# KiCad board ddr4-datacenter-tester.kicad_pcb (continued)
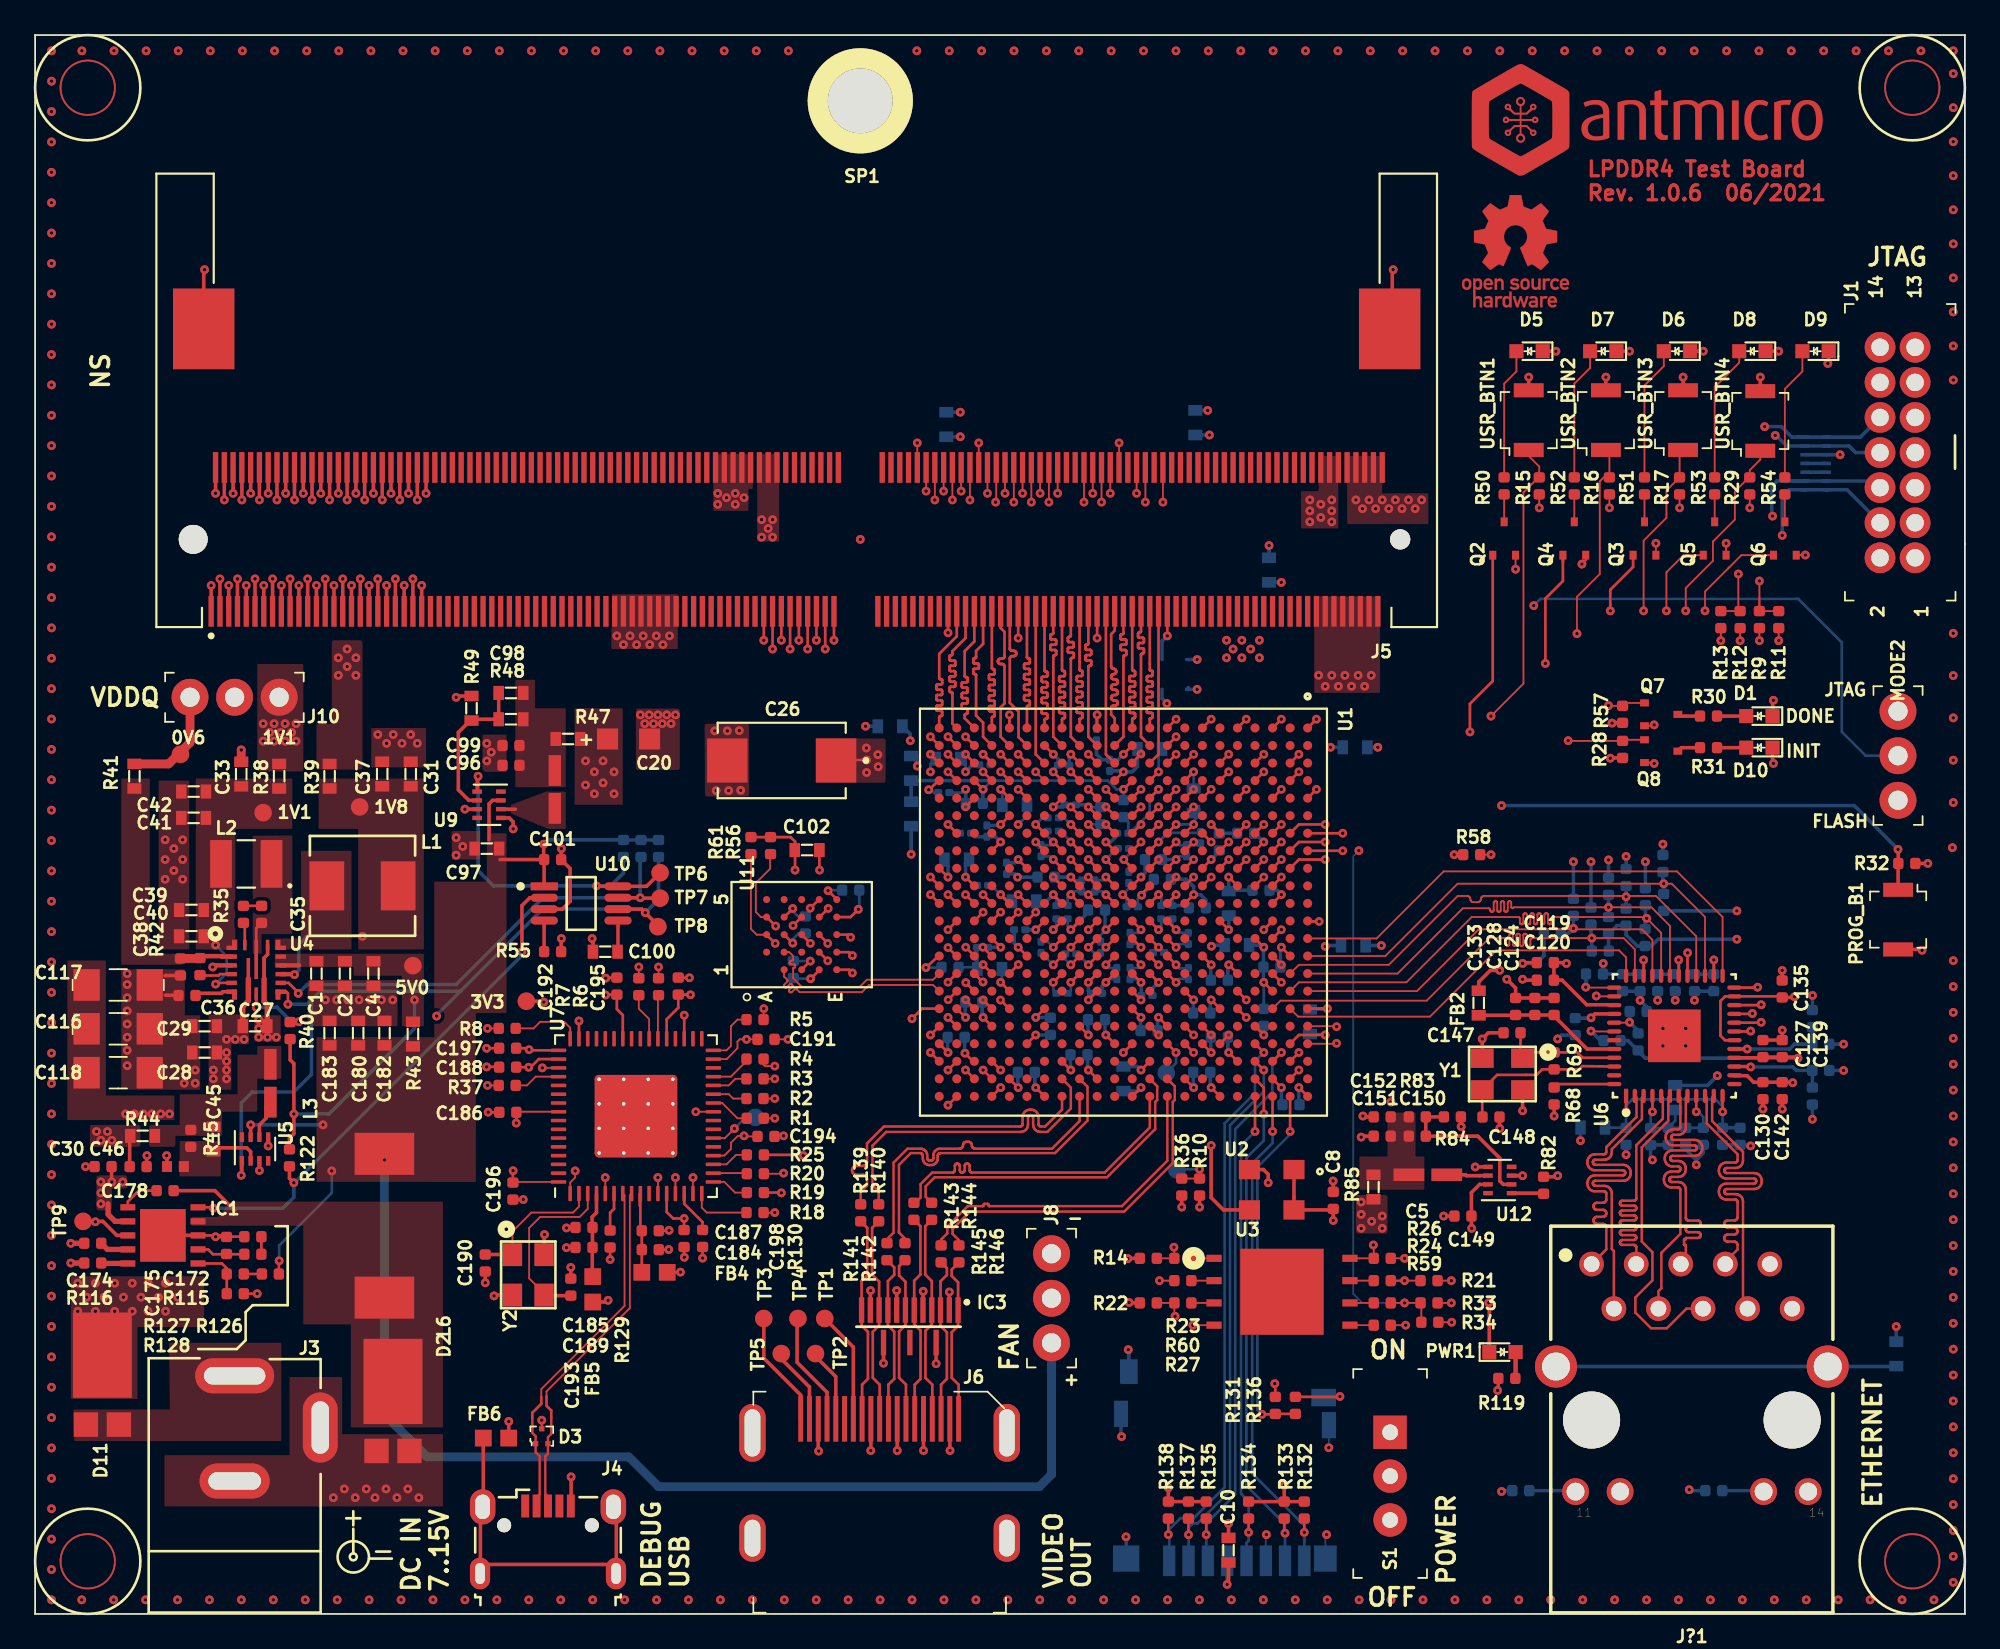
[diagram p0: board, top side]
## Routing (per net, layer and track width the routed paths; a pad name or vN(x,y) marks a point on that pad's centre or on a via; arc(x,y) is an arc through that point) (continued)
SD_CMD: length 32.4
  Top w0.15: U1.C20 v3(71.04,32) ; R135.2 v3(66.76,4.52)
  Bottom w0.15: J7.3 66.76,3.12 v3(66.76,4.52) 66.76,5.16 68.41,6.81 68.41,27.64 70.53,29.76 70.53,31.5 v3(71.04,32)
SD_DAT0: length 30.2
  Top w0.15: v3(70.04,28.5) 70.04,30 U1.D21 ; v3(71.25,4.6) 71.2,4.65 R133.2 71.2,5.14
  Bottom w0.15: J7.7 v3(71.25,4.6) 71.25,5.11 69.04,7.31 69.04,25.98 70.04,26.98 v3(70.04,28.5)
SD_DAT1: length 29.5
  Top w0.15: U1.C22 v3(70.54,27.5) ; R132.2 v3(72.34,4.65)
  Bottom w0.15: J7.8 72.34,4.14 ; 72.34,4.14 72.34,5.03 69.38,8 69.38,25.68 70.54,26.84 v3(70.54,27.5) ; 72.34,4.14 v3(72.34,4.65)
SD_DAT2: length 33.3
  Top w0.15: U1.D19 v3(70.04,32) ; R138.2 v3(64.6,4.52)
  Bottom w0.15: v3(70.04,32) 69.54,31.5 69.54,29.7 67.81,27.97 67.81,7.22 66.04,5.46 65.28,5.46 64.6,4.78 v3(64.6,4.52) 64.65,4.47 J7.1
SD_DAT3: length 31.5
  Top w0.15: U1.D20 v3(70.04,31) ; v3(65.75,4.51) 65.74,4.52 R137.2
  Bottom w0.15: v3(70.04,31) 70.04,29.77 68.11,27.84 68.11,7.01 66.25,5.16 65.99,5.16 65.75,4.91 v3(65.75,4.51) J7.2
SYS_ON: length 30.3
  Top w0.15: v3(10.16,23.13) 10.11,23.18 IC1.10
  Top w0.2: v3(14.75,24.58) 14.5,24.83 R122.2 ; v3(27.75,37.75) 27.75,40.38 28.2,40.83 U10.2
  Bottom w0.2: v3(10.16,23.13) 14.13,23.13 14.75,23.75 v3(14.75,24.58) 14.78,24.58 27.75,37.54 v3(27.75,37.75)
TCK_JTAG: length 97.1
  Top w0.1: 41.54,22.86 42.15,22.86
  Top w0.15: U1.K7 v3(64.04,45)
  In2.Cu w0.1: v3(64.04,45) 64.51,44.53 67.31,44.53 68.33,45.54 76.41,45.54 89.15,58.28 98.39,58.28 100.04,59.93 100.04,62.23 99.69,62.58 v3(99.04,62.58)
  In5.Cu w0.1: v3(64.04,45) 63.37,45 62.67,45.7 61.34,45.7 60.44,46.6 57.74,46.6 56.74,45.6 51.33,45.6 49.49,43.76 46.44,40.72 46.44,27.16 v3(42.16,22.88)
  Bottom w0.2: D4.13 99.59,64.58 ; D4.13 D4.13 104.78,64.58 J1.6 ; D4.13 99.29,64.58 98.99,64.28 98.99,62.63 v3(99.04,62.58)
TDI_JTAG: length 96.3
  Top w0.1: 41.54,23.99 41.55,24
  Top w0.15: U1.K6 v3(64.04,46) ; R19.2 42.52,24.02 v3(42.54,24)
  In2.Cu w0.1: v3(98.59,67.68) 98.59,66.58 98.29,66.28 98.29,60.78 97.59,60.08 89.04,60.08 75.9,46.94 65.73,46.94 65.24,46.45 64.49,46.45 v3(64.04,46)
  In5.Cu w0.1: v3(42.54,24) 43.16,24.63 43.16,26.38 45.93,29.15 45.93,40.92 51.12,46.1 56.54,46.1 57.59,47.15 60.64,47.15 61.29,46.5 63.18,46.5 63.68,46 v3(64.04,46)
  Bottom w0.2: v3(98.59,67.68) 99.54,67.68 100.14,67.08 D4.8 ; D4.8 D4.8 104.04,67.08 J1.10 ; D4.8 100.41,67.08
TDO_JTAG: length 94.5
  Top w0.1: v3(42.66,25.13) 42.63,25.09 R20.2
  Top w0.15: U1.J6 v3(65.04,46)
  In2.Cu w0.1: v3(65.04,46) 65.39,46 65.94,46.55 75.89,46.55 89.12,59.78 97.89,59.78 98.59,60.48 98.59,65.88 99.19,66.48 v3(99.19,67.18)
  In5.Cu w0.1: v3(65.04,46) 64.49,46.55 63.59,46.55 62.64,47.5 52.15,47.5 48.74,44.09 45.68,41.02 45.68,29.27 42.66,26.25 v3(42.66,25.13)
  Bottom w0.2: J1.8 103.76,66.2 103.39,66.58 D4.9 D4.9 99.84,66.58 99.24,67.18 v3(99.19,67.18)
TMDS_CLK_N: length 19
  Top w0.14: U1.R22 58.54,28.75 57.57,27.78 57.34,27.78 57.31,27.79 57.28,27.8 57.25,27.82 57.23,27.84 57.21,27.87 57.2,27.9 57.2,27.93 57.2,28.32 57.19,28.41 57.15,28.5 57.1,28.59 57.03,28.65 56.95,28.7 56.86,28.74 56.77,28.75 56.72,28.75 56.62,28.74 56.53,28.7 56.45,28.65 56.38,28.59 56.33,28.5 56.3,28.41 56.29,28.32 56.29,27.93 56.28,27.9 56.27,27.87 56.25,27.84 56.23,27.82 56.2,27.8 56.17,27.79 56.14,27.78 48.38,27.78 47.42,26.82 47.42,25.78 47.42,25.73 47.4,25.68 47.37,25.63 47.33,25.59 47.28,25.56 47.23,25.54 47.17,25.53 46.81,25.53 46.76,25.53 46.71,25.51 46.66,25.48 46.62,25.44 46.59,25.39 46.57,25.34 46.56,25.28 46.57,25.23 46.59,25.18 46.62,25.13 46.66,25.09 46.71,25.06 46.76,25.04 46.81,25.03 47.17,25.03 47.23,25.03 47.28,25.01 47.33,24.98 47.37,24.94 47.4,24.89 47.42,24.84 47.42,24.78 47.42,24.43 47.06,24.07 R139.1
TMDS_CLK_P: length 19
  Top w0.14: U1.R21 59.04,30 59.04,28.81 57.7,27.47 57.32,27.47 57.22,27.49 57.13,27.52 57.05,27.57 56.98,27.64 56.93,27.72 56.9,27.81 56.89,27.9 56.89,28.29 56.88,28.32 56.87,28.35 56.85,28.38 56.83,28.41 56.8,28.42 56.77,28.43 56.74,28.44 56.71,28.43 56.68,28.42 56.65,28.41 56.63,28.38 56.61,28.35 56.6,28.32 56.6,28.29 56.6,27.9 56.59,27.81 56.55,27.72 56.5,27.64 56.43,27.57 56.35,27.52 56.26,27.49 56.17,27.47 48.51,27.47 47.73,26.7 47.73,24.43 48.08,24.08 R140.1
TMDS_D0_N: length 19.1
  Top w0.14: U1.P22 59.54,28.09 57.97,26.52 53.59,26.52 53.55,26.52 53.5,26.54 53.47,26.56 53.44,26.59 53.41,26.63 53.4,26.67 53.39,26.76 53.37,26.8 53.35,26.84 53.32,26.87 53.28,26.89 53.24,26.91 53.2,26.91 53.09,26.91 53.05,26.91 53,26.89 52.97,26.87 52.94,26.84 52.91,26.8 52.9,26.76 52.89,26.67 52.87,26.63 52.85,26.59 52.82,26.56 52.78,26.54 52.74,26.52 52.7,26.52 51.58,26.52 51.5,26.51 51.42,26.48 51.34,26.44 51.28,26.38 51.24,26.3 51.21,26.22 51.2,26.14 51.2,25.99 51.2,25.96 51.19,25.92 51.17,25.89 51.14,25.87 51.11,25.85 51.08,25.84 51.05,25.84 51,25.84 50.97,25.84 50.94,25.85 50.91,25.87 50.88,25.89 50.87,25.92 50.85,25.96 50.85,25.99 50.85,26.14 50.84,26.22 50.81,26.3 50.77,26.38 50.71,26.44 50.63,26.48 50.55,26.51 50.47,26.52 49.73,26.52 48.93,25.72 48.93,21.73 48.56,21.36 R141.1
TMDS_D0_P: length 19.9
  Top w0.14: R142.1 49.58,21.39 49.24,21.73 49.24,21.82 ; 49.24,21.82 49.24,25.6 49.92,26.27 50.45,26.27 50.48,26.27 50.51,26.25 50.54,26.24 50.57,26.21 50.59,26.18 50.6,26.15 50.6,26.12 50.6,25.97 50.61,25.88 50.64,25.8 50.68,25.73 50.74,25.67 50.82,25.62 50.9,25.6 50.98,25.59 51.07,25.59 51.15,25.6 51.23,25.62 51.31,25.67 51.37,25.73 51.41,25.8 51.44,25.88 51.45,25.97 51.45,26.12 51.45,26.15 51.47,26.18 51.48,26.21 51.51,26.24 51.54,26.25 51.57,26.27 51.6,26.27 58.14,26.27 59.99,28.12 59.99,30.05 U1.P21 ; 49.24,21.82 49.24,21.75
TMDS_D1_N: length 19
  Top w0.14: R143.1 50.17,23.44 50.48,23.74 50.48,24.5 51.14,25.16 52.29,25.16 52.32,25.16 52.35,25.17 52.37,25.19 52.4,25.21 52.41,25.24 52.42,25.27 52.43,25.3 52.43,25.53 52.43,25.56 52.44,25.59 52.46,25.62 52.48,25.64 52.51,25.66 52.54,25.67 52.57,25.67 52.6,25.67 52.63,25.66 52.65,25.64 52.68,25.62 52.69,25.59 52.7,25.56 52.71,25.53 52.71,25.3 52.71,25.27 52.72,25.24 52.74,25.21 52.76,25.19 52.79,25.17 52.82,25.16 52.85,25.16 52.88,25.16 52.91,25.17 52.93,25.19 52.96,25.21 52.97,25.24 52.98,25.27 52.99,25.3 52.99,25.53 52.99,25.56 53,25.59 53.02,25.62 53.04,25.64 53.07,25.66 53.1,25.67 53.13,25.67 53.16,25.67 53.19,25.66 53.21,25.64 53.24,25.62 53.25,25.59 53.26,25.56 53.27,25.53 53.27,25.3 53.27,25.27 53.28,25.24 53.3,25.21 53.32,25.19 53.35,25.17 53.38,25.16 53.41,25.16 60.97,25.16 63.54,27.73 U1.K22
TMDS_D1_P: length 18.6
  Top w0.14: U1.K21 63.96,30.08 63.96,29.3 63.85,29.18 63.85,27.64 61.1,24.89 51.28,24.89 50.76,24.37 50.76,23.78 R144.1
TMDS_D2_N: length 19.1
  Top w0.14: U1.J22 64.54,25.83 61.95,23.24 54.41,23.24 54.4,23.25 54.38,23.25 54.37,23.26 54.36,23.27 54.35,23.28 54.35,23.3 54.34,23.32 54.34,23.34 54.33,23.35 54.32,23.36 54.31,23.37 54.3,23.37 54.28,23.37 54.13,23.37 54.12,23.37 54.1,23.37 54.09,23.36 54.08,23.35 54.07,23.34 54.07,23.32 54.06,23.3 54.06,23.28 54.05,23.27 54.04,23.26 54.03,23.25 54.02,23.25 54,23.24 53.16,23.24 52,22.08 52,21.69 51.64,21.34 R145.1
TMDS_D2_P: length 20.2
  Top w0.14: U1.J21 64.96,30.08 64.96,29.3 64.85,29.18 64.85,25.7 62.08,22.93 53.29,22.93 52.3,21.95 ; 52.3,21.95 52.3,21.67 52.66,21.3 R146.1 ; 52.3,21.95 52.31,21.96
TMS_JTAG: length 91.1
  Top w0.15: U1.L6 v3(63.04,46) ; v3(43.79,26.13) 43.75,26.17 R25.2
  In2.Cu w0.1: v3(63.04,46) 63.49,45.55 66.25,45.55 66.74,46.05 76.15,46.05 88.93,58.83 97.44,58.83 99.59,60.98 v3(99.59,61.48)
  In5.Cu w0.1: v3(43.79,26.13) 46.19,28.53 46.19,40.82 51.22,45.85 56.64,45.85 57.69,46.9 60.54,46.9 61.44,46 v3(63.04,46)
  Bottom w0.15: v3(99.59,61.48) 99.59,61.83
  Bottom w0.2: v3(99.59,61.48) 99.59,63.68 99.99,64.08 D4.14 D4.14 103.28,64.08 J1.4
UART0_RX: length 20.8
  Top w0.1: R6.2 v4(35.54,36.88)
  Top w0.15: U1.AA18 v3(52.04,34)
  In2.Cu w0.15: v3(52.04,34) 51.04,34 50.42,33.38 49.57,33.38 49.33,33.63 36.64,33.63 35.54,34.73 v4(35.54,36.88)
UART0_TX: length 20.4
  Top w0.1: R7.2 v4(34.41,36.88)
  Top w0.15: U1.AB18 v3(51.04,33)
  In2.Cu w0.15: v4(34.41,36.88) 34.41,35.43 36.51,33.33 48.99,33.33 49.34,32.98 51.01,32.98 v3(51.04,33)
UART1_RX: length 27.2
  Top w0.1: R8.2 v4(25.79,33.38)
  Top w0.15: U1.AB20 v3(51.04,32)
  In2.Cu w0.15: v4(25.79,33.38) 26.16,33 39.6,33 40.6,32 v3(51.04,32)
UART1_TX: length 30
  Top w0.1: R37.2 v4(25.79,30.13)
  Top w0.15: U1.AA20 v3(52.04,31)
  In2.Cu w0.15: v4(25.79,30.13) 26.91,31.25 26.91,32.38 27.24,32.7 39.47,32.7 40.47,31.7 50.59,31.7 51.04,31.25 51.79,31.25 v3(52.04,31)
USR_BTN1: length 34.6
  Top w0.1: 85.74,64.8 85.74,65.4 85.14,66 USR_BTN1.1 ; v3(82.99,51.18) 84.84,53.03 84.84,63.93 85.69,64.79 R15.2
  Top w0.15: U1.E8 v4(69.04,44)
  In2.Cu w0.1: v4(69.04,44) 69.9,44.86 77.3,44.86 82.99,50.55 v3(82.99,51.18)
USR_BTN2: length 33.7
  Top w0.1: USR_BTN2.1 89.74,66.15 R16.2 89.42,64.79 89.19,64.56 89.19,59.28 87.89,57.98 v3(87.89,55.88)
  Top w0.15: U1.B8 72.04,44 v4(73.54,44)
  In2.Cu w0.1: v3(87.89,55.88) 87.89,54.74 77.51,44.36 73.9,44.36 v4(73.54,44)
USR_BTN3: length 38.1
  Top w0.1: USR_BTN3.1 93.74,66.15 R17.2 92.99,64.04 92.99,62.48 91.69,61.18 v3(91.69,57.18)
  Top w0.15: U1.C9 v4(71.04,43)
  In2.Cu w0.1: v4(71.04,43) 71.25,42.79 76.65,42.79 88.23,54.38 89.89,54.38 91.69,56.18 v3(91.69,57.18)
USR_BTN4: length 44.6
  Top w0.1: USR_BTN4.1 98.34,65.8 97.74,65.2 R29.2 97.69,64.79 96.89,63.98 96.89,62.38 95.64,61.13 95.64,60.03 94.09,58.48 v3(94.09,57.18)
  Top w0.15: U1.E9 v4(69.04,43)
  In2.Cu w0.1: 69.74,42.3 v4(69.04,43) 69.75,42.29 76.85,42.29 88.12,53.56 91.36,53.56 94.09,56.28 v3(94.09,57.18)
USR_LED1: length 28.4
  Top w0.15: U1.F8 v4(68.04,44) ; Q2.1 83.09,53.18 81.79,51.88 v3(81.79,50.28)
  In2.Cu w0.1: v3(81.79,50.28) 81.79,49.72 77.32,45.25 68.66,45.25 68.04,44.63 v4(68.04,44)
USR_LED2: length 27.2
  Top w0.15: U1.C8 v4(71.04,44) ; 87.09,60.08 87.09,59.95 ; 87.09,60.08 Q4.1 ; 87.09,60.08 87.09,58.88 86.09,57.88 v3(86.09,54.18)
  In2.Cu w0.1: v3(86.09,54.18) 86.09,53.29 77.4,44.61 71.65,44.61 v4(71.04,44)
USR_LED3: length 27.6
  Top w0.15: U1.A8 v4(74.54,43.5) ; v3(89.79,57.18) 89.79,58.38 91.09,59.68 Q3.1
  In2.Cu w0.1: v4(74.54,43.5) 75.15,44.11 77.61,44.11 88.18,54.68 88.89,54.68 89.79,55.58 v3(89.79,57.18)
USR_LED4: length 35.3
  Top w0.1: 95.09,60.28 Q5.1 93.96,60.35 92.99,59.38 v3(92.99,57.18)
  Top w0.15: U1.D9 v4(70.04,43)
  In2.Cu w0.1: v4(70.04,43) 70.5,42.54 76.75,42.54 88.32,54.11 90.92,54.11 92.99,56.18 v3(92.99,57.18)
USR_LED5: length 42.5
  Top w0.1: 96.59,59.68 95.19,58.28 v3(95.19,57.18) ; 96.59,59.68 97.26,60.35 Q6.1 ; 96.59,59.68 96.49,59.58
  Top w0.15: U1.F9 v4(68.04,43)
  In2.Cu w0.1: v3(95.19,57.18) 95.19,56.18 92.01,53 87.92,53 76.96,42.04 69,42.04 v4(68.04,43) 68.99,42.05
VREF_34: length 17.1
  Top w0.15: U1.L4 v3(62.04,47) ; U1.Y4 v3(54.04,47)
  Bottom w0.15: v3(54.04,47) 54.54,47.5 61.14,47.5 61.64,47 v3(62.04,47) 62.05,47.02
  Bottom w0.2: 54.04,46.8 v3(54.04,47) 54.02,46.99 C114.1 ; 54.54,47.5 50.14,47.5 ; R65.2 R66.1 ; v3(62.04,47) C115.1
VRN: length 2.1
  Top w0.15: U1.K4 v3(64.04,48)
  Bottom w0.15: R63.1 64.04,49.1 v3(64.04,48)
VRP: length 1.7
  Top w0.15: U1.V5 v3(55.04,47)
  Bottom w0.15: 55.14,46 55.14,46.9 v3(55.04,47)
Net-(C35-Pad1): length 2.2
  Top w0.15: U4.17 12.6,39.09 C35.1
Net-(C35-Pad2): length 1
  Top w0.15: 11.91,40.36 C35.2
Net-(C36-Pad1): length 2.3
  Top w0.2: 9.15,35.38 10.61,35.38 10.7,35.47 U4.6 11.36,35.31 U4.6
Net-(C38-Pad1): length 3.1
  Top w0.25: U4.2 10.65,37.47 10.63,37.5 9.24,37.5 9.21,37.47
  Top w0.5: 9.41,37.36 C38.1
Net-(C45-Pad2): length 2.8
  Top w0.2: C45.2 10.37,26.57 12.07,26.57 12.29,26.35 U5.2
Net-(C98-Pad2): length 8.7
  Top w0.2: U9.2 24.72,46.38 24.12,46.97 24.12,50.25 24.8,50.92 R49.1 24.95,51 R48.2 C98.2
Net-(C100-Pad2): length 1.8
  Top w0.2: C100.2 33.23,37.78 U10.5
Net-(C147-Pad1): length 6.3
  Top w0.15: 85.35,32.01 R69.1 87.9,32.01 88.21,31.7 U6.45 ; C147.1 84.67,31.79 Y1.1
Net-(C148-Pad1): length 9.6
  Top w0.15: U6.46 88.19,31.23 88,31.04 R69.2 85.9,31.04 85.59,30.73 83.34,30.73 Y1.3 82.49,28.34 C148.1
Net-(C150-Pad2): length 9.1
  Top w0.2: U12.2 83.69,24.48 83.49,24.68 83.49,25.98 82.23,27.23 C150.2 R83.2 80.17,28.33 80.3,28.46 R84.1
Net-(C172-Pad1): length 1
  Top w0.15: C172.1 R115.2
Net-(C174-Pad1): length 1.7
  Top w0.3: IC1.4 4.12,20.78 C174.1
Net-(C175-Pad1): length 2.8
  Top w0.15: IC1.7 9.86,20.78 10.14,20.5 R115.1
Net-(C178-Pad1): length 3.9
  Top w0.2: 11.38,23 10.25,24.13 C178.1
Net-(C178-Pad2): length 2.2
  Top w0.15: IC1.1 5.29,23.51 5.91,24.13 C178.2
Net-(C184-Pad1): length 5.2
  Top w0.1: 34.44,23.97 34.44,23.26
  Top w0.15: 34.5,23.9 34.5,21.92 C187.1 C184.1 FB4.2
Net-(C185-Pad1): length 4.5
  Top w0.2: 31.76,19.5 31.76,20.88 C189.1 C185.1 31.75,22.05 31.75,22.62 32,22.88 32,23.9
Net-(C190-Pad1): length 7.9
  Top w0.1: Y2.1 27.21,21.8 28.29,22.88 30.66,22.88 31,23.22 31,23.9
  Top w0.2: C190.1 27.2,20.49 Y2.1
Net-(C193-Pad1): length 10.3
  Top w0.1: Y2.3 29.01,18.28 28.16,19.13 28.16,22 28.79,22.63 31.04,22.63 31.5,23.09 31.5,23.9
  Top w0.2: Y2.3 29.05,18.14 C193.1
Net-(D1-Pad2): length 1.7
  Top w0.2: D1.2 R30.1
Net-(D4-Pad11): length 1.2
  Bottom w0.2: D4.11 D4.11
Net-(D4-Pad12): length 1.2
  Bottom w0.2: D4.12 D4.12
Net-(D5-Pad2): length 7.3
  Top w0.1: 84.44,71.78 84.44,70.83 83.74,70.13 R50.1
Net-(D6-Pad2): length 7.5
  Top w0.1: R51.1 91.74,70.03 92.84,71.13 92.84,71.88
Net-(D7-Pad2): length 7.4
  Top w0.1: 88.64,71.78 88.64,71.03 87.74,70.13 R52.1
Net-(D8-Pad2): length 7.8
  Top w0.1: R53.1 95.74,69.93 97.14,71.33 D8.2
Net-(D9-Pad2): length 7.6
  Top w0.1: R54.1 99.74,69.83 100.74,70.83 D9.2
Net-(D10-Pad2): length 1.7
  Top w0.2: R31.1 D10.2
Net-(FB6-Pad2): length 18.9
  Top w0.2: 32.98,6.62 33.13,6.47 33.13,2.82 25.38,2.82 25.38,6.47 25.55,6.64 FB6.2
Net-(FB7-Pad1): length 19.4
  Bottom w0.2: FB7.1 106.06,14.1 J?1.Z1 J?1.Z2
Net-(IC1-Pad5): length 1.5
  Top w0.3: IC1.5 3.8,19.98 R116.2
Net-(IC1-Pad6): length 3.2
  Top w0.15: R128.1 R127.2 10.93,19.7 10.65,19.98 IC1.6
Net-(J6-Pad13): length 6.4
  Top w0.2: TP1.1 46.64,15.21 J6.13
Net-(J6-Pad15): length 4.3
  Top w0.2: 44.33,14.84 45.64,13.53 J6.15
Net-(J6-Pad16): length 6.5
  Top w0.2: 43.26,16.84 43.43,16.66 43.43,14.34 45.14,12.63 J6.16
Net-(J6-Pad18): length 4.4
  Top w0.2: TP5.1 42.53,14.54 44.14,12.93 J6.18
Net-(J6-Pad19): length 6.6
  Top w0.2: TP3.1 41.53,14.58 43.64,12.47 J6.19
Net-(J7-Pad9): length 3.6
  Top w0.15: R136.2 74.35,12.37 v3(74.38,12.39)
  Bottom w0.15: 73.32,12.33 73.38,12.39 v3(74.38,12.39)
Net-(J?1-Pad11): length 2.7
  Bottom w0.2: J?1.11 87.75,7.03 R62.1
Net-(J?1-Pad13): length 2.4
  Bottom w0.2: J?1.13 98.47,7.03 R67.1
Net-(L3-Pad1): length 2.3
  Top w0.2: L3.1 13.16,28.92 13.16,28.25 12.79,27.88 U5.6
Net-(L4-Pad1): length 0.8
  Top w0.2: U9.6 27.38,45.88
Net-(L5-Pad1): length 2.4
  Top w0.2: U12.6 82.33,24.98 82.33,24.98 81.6,24.98 81.54,25.03 L5.1
Net-(PWR1-Pad2): length 1.5
  Top w0.25: PWR1.2 84.39,13.44 R119.1
Net-(Q2-Pad3): length 1.6
  Top w0.1: 83.74,62.3 83.74,63.87
Net-(Q3-Pad3): length 1.5
  Top w0.1: 91.74,62.31 R51.2
Net-(Q4-Pad3): length 1.5
  Top w0.1: 87.74,62.31 R52.2
Net-(Q5-Pad3): length 1.6
  Top w0.1: Q5.3 R53.2
Net-(Q6-Pad3): length 1.6
  Top w0.1: Q6.3 R54.2
Net-(Q7-Pad3): length 1.3
  Top w0.2: Q7.3 93.74,51.18 R30.2
Net-(Q8-Pad3): length 1.3
  Top w0.2: R31.2 93.84,49.38 Q8.3
Net-(R1-Pad1): length 2.3
  Top w0.1: 38.6,29.13 39.16,29.13 40.04,28.25 R1.1
Net-(R2-Pad1): length 2.1
  Top w0.1: R2.1 39.79,29.38 39.54,29.63 38.6,29.63
Net-(R3-Pad1): length 2.1
  Top w0.1: R3.1 39.91,30.5 39.54,30.13 38.6,30.13
Net-(R4-Pad1): length 2.4
  Top w0.1: R4.1 40.55,31.52 39.66,30.63 38.6,30.63
Net-(R5-Pad1): length 3.3
  Top w0.1: R5.1 40.04,33.88 39.66,33.5 39.66,32.38 39.41,32.13 38.6,32.13
Net-(R6-Pad1): length 2.5
  Top w0.1: R6.1 35.5,35.23 U7.38
Net-(R7-Pad1): length 2.7
  Top w0.1: U7.39 35,33.91 34.41,34.5 R7.1
Net-(R8-Pad1): length 4
  Top w0.1: R8.1 28.41,33.38 28.79,33.75 30.16,33.75 30.5,33.41 U7.48
Net-(R18-Pad1): length 3.5
  Top w0.1: R18.1 38.29,22.88 38,23.16 U7.16
Net-(R19-Pad1): length 2.2
  Top w0.1: 38.6,24.63 39.29,24.63 39.9,24.02 R19.1
Net-(R20-Pad1): length 2
  Top w0.1: R20.1 40.54,25.13 38.6,25.13
Net-(R23-Pad1): length 1.3
  Top w0.1: R23.1 U3.1
Net-(R24-Pad1): length 1.4
  Top w0.1: R24.1 U3.6
Net-(R25-Pad1): length 2.2
  Top w0.1: 38.6,25.63 39.41,25.63 39.95,26.17 R25.1
Net-(R26-Pad1): length 1.4
  Top w0.1: U3.7 R26.1
Net-(R27-Pad1): length 1.3
  Top w0.1: R27.1 U3.3
Net-(R35-Pad1): length 1.3
  Top w0.15: 11.91,39.39 11.95,39.35 U4.18
Net-(R37-Pad1): length 2.6
  Top w0.1: R37.1 28.04,30.13 28.54,30.63 29.77,30.63
Net-(R40-Pad1): length 4.1
  Top w0.15: U4.8 v3(12.6,34.58)
  Top w0.2: R40.1 14.55,33.75 v3(15.04,33.75)
  Bottom w0.2: v3(12.6,34.58) 13.8,34.58 14.62,33.75 v3(15.04,33.75)
Net-(R42-Pad1): length 2
  Top w0.15: U4.4 10.54,36.47 10.46,36.39 9.71,36.39 ; 9.71,36.39 9.51,36.39 ; 9.71,36.39 9.41,36.39
Net-(R55-Pad1): length 1.8
  Top w0.2: U10.4 29.01,39.52 R55.1
Net-(R59-Pad1): length 1.4
  Top w0.1: U3.5 R59.1
Net-(R60-Pad1): length 1.3
  Top w0.1: R60.1 U3.2
Net-(R68-Pad2): length 3.5
  Top w0.15: U6.48 86.78,30.2 R68.2
Net-(R82-Pad1): length 1.8
  Top w0.2: U12.1 85.95,23.98 R82.1
Net-(R126-Pad2): length 1
  Top w0.15: R127.1 R126.2
Net-(R129-Pad2): length 2.2
  Top w0.15: R129.2 32.78,22.87 33,23.09 U7.6
Net-(R130-Pad2): length 2.4
  Top w0.15: 37,23.9 37,23.38 38.05,22.33 R130.2
Net-(U1-PadA20): length 0
Net-(U1-PadB18): length 0
Net-(U1-PadC10): length 0.7
  Top w0.15: U1.C10 v2(71.04,42)
Net-(U1-PadC13): length 0.7
  Top w0.15: U1.C13 v4(71.04,39)
Net-(U1-PadD10): length 0.7
  Top w0.15: U1.D10 v2(70.04,42)
Net-(U1-PadG10): length 0.7
  Top w0.15: U1.G10 v2(67.04,42)
Net-(U1-PadH8): length 0.7
  Top w0.15: U1.H8 v2(66.04,44)
Net-(U1-PadH9): length 0.7
  Top w0.15: U1.H9 v2(66.04,43)
Net-(U1-PadH10): length 0.7
  Top w0.15: U1.H10 v2(66.04,42)
Net-(U1-PadT8): length 0.7
  Top w0.15: U1.T8 v2(57.04,44)
Net-(U1-PadU11): length 0.7
  Top w0.15: U1.U11 v4(56.04,41)
Net-(U7-Pad22): length 2.9
  Top w0.1: v3(39.86,27.67) 39.32,27.12 U7.22
  Bottom w0.15: v3(39.86,27.67) 40.47,28.28 41.08,28.28 41.11,28.25

## Copper pours and planes (outline as drawn; the poured copper is in the pictures)
1V0_SYS on Top: 48.48,47.38 45.98,47.38 45.98,49.91 48.48,49.91
1V0_SYS on Top: 33.5,46.12 30.75,46.12 30.75,51.62 33.5,51.62
1V0_SYS on VCC2: 66.54,51.62 66.5,35.62 47.66,35.5 47.62,45 30.75,44.99 30.79,51.63
1V1_SYS on Top: 36.63,55 32.85,55 32.85,58.13 36.63,58.13
1V1_SYS on Top: 15.29,48.02 12.66,48.02 12.66,54.15 15.29,54.15
1V1_SYS on Top: 76.66,52.5 72.91,52.5 72.91,58 76.66,58
1V1_SYS on VCC2: 66.62,53.75 72.12,53.75 72.12,55.62 77.38,55.62 77.38,52.12 25.38,52.12 25.38,48.12 12.62,48.12 12.62,52.25 23.38,52.25 23.38,57.88 66.56,58
1V8_FT on VCC2: 46.46,17.17 24.96,17.17 25.04,44 46.56,44
1V8_SYS on Top: 76.79,63.88 79.41,63.88 79.41,62.13 74.79,62.13 74.79,66 76.79,66
1V8_SYS on Top: 40.91,64.13 40.66,64.13 40.66,62.88 38.66,62.88 38.66,66.13 40.91,66.13
1V8_SYS on Top: 18.66,48.13 16.04,48.13 16.04,50.75 16.91,50.75 16.91,55.5 18.66,55.5
1V8_SYS on VCC1: 75.19,37.63 57.69,37.63 57.69,45.38 65.19,45.38 65.19,59.38 75.19,59.38
1V8_SYS on VCC2: 82.22,58.5 71.29,58.5 71.29,54.13 67.49,54.13 67.5,58.45 22.62,58.5 22.62,53 12.91,53 13.16,89.38 82.41,89.38
3V3_SYS on Top: 6,26.62 3.12,26.62 3.12,27.88 6,27.88
3V3_SYS on VCC1: 110.19,5.88 84.19,5.88 84.19,-0.12 23.19,-0.12 23.19,28.38 11.69,28.38 11.69,26.88 3.19,26.88 3.19,28.38 10.19,28.38 10.19,29.88 11.69,29.88 11.69,30.88 23.19,30.88 23.19,59.38 49.19,59.38 49.19,37.13 75.69,37.13 75.69,89.88 110.19,89.88
3V3_SYS on VCC2: 109.49,38.88 74.69,38.78 74.59,0.28 25.12,0 25.12,16.28 47.56,16.22 47.66,34.57 66.79,34.63 66.79,51.63 83.16,51.63 83.16,89.25 109.41,89.25
GND on Top: 40.71,46.59 38.19,46.59 38.16,50.74 40.7,50.73
GND on Top: 26.88,48 25.5,48 25.5,50.12 26.88,50.12
GND on Top: 25.38,43 23.75,43 23.75,44.62 25.38,44.62
GND on Top: 36.75,48.11 34.25,48.11 34.25,51.61 36.75,51.61
GND on Top: 14,32.62 12.5,32.62 12.5,34.12 14,34.12
GND on Top: 23.25,6.12 7.38,6.12 7.37,9.05 14.5,9.05 14.5,13.5 17.5,13.5 17.5,10.25 23.25,10.25
GND on Top: 22.29,48.25 19.16,48.25 19.16,50.5 22.29,50.5
GND on Top: 8.54,34.13 9.41,34.13 9.41,29.88 4.91,29.88 4.91,36.75 8.54,36.75
GND on Top: 8.79,37.88 7.04,37.88 7.04,47.5 8.79,47.5
GND on Top: 20.66,33.5 15.54,33.5 15.54,36.13 20.66,36.13
GND on GND1: 109.69,0.03 0,0 0,90 110,90
GND on In2.Cu: 109.64,89.6 109.64,0.3 0.34,0.3 0.24,89.7
GND on GND2: 109.88,0 0,0 0,90 110,90
GND on VCC1: 22.66,31.5 9.66,31.5 9.66,28.88 2.79,28.88 2.79,26.38 12.19,26.38 12.16,28 22.79,28 22.79,0.38 0.29,0.38 0.29,47.25 9.16,47.25 9.16,46.13 17.66,46.13 17.66,58 22.66,58
GND on In5.Cu: 110.04,0 0.04,0 0.04,90 110.04,90
GND on VCC2: 9.29,30.13 2.54,30.13 2.54,21.82 5.91,22 5.91,11.25 15.41,11.25 15.41,34.13 24.54,34.13 24.54,0.25 0.29,0.25 0.29,34.38 9.29,34.38
GND on VCC2: 12.16,47.25 24.41,47.25 24.41,35.38 0.29,35.38 0.16,89.25 12.16,89.25
VCC1V2 on Top: 75.29,21.68 75.29,23.88 77.09,23.88 77.09,21.68
VCC1V2 on VCC2: 108.99,1.18 75.09,1.18 75.09,37.68 108.98,37.68
VCC5V0 on Top: 22.16,33.5 20.91,33.5 20.91,36.38 18.16,36.38 18.16,36.88 13.66,36.88 13.66,37.63 22.16,37.63
VCC5V0_INT on Top: 26.88,34.25 25.12,34.25 25.12,24.62 22.54,24.62 22.54,24.63 16.04,24.63 16.04,32.88 22.54,32.88 22.54,32.88 22.75,32.88 22.75,41.75 25.75,41.75 25.75,44.5 26.88,44.5
VDD1V1 on Top: 14.66,44.75 11.41,44.75 11.41,38.46 11.55,38.46 11.55,37.86 9.16,37.88 9.16,47.63 14.66,47.63
VDD1V8 on Top: 22.16,37.88 18.41,37.88 18.41,44.75 16.16,44.75 16.16,47.63 22.16,47.63
VDDQ on Top: 74.29,61.88 72.16,61.88 72.16,64 73.16,64 73.16,66 74.29,66
VDDQ on Top: 42.41,61.13 41.16,61.13 41.16,66.13 42.41,66.13
VDDQ on VCC1: 75.19,67.38 75.19,59.88 64.69,59.88 64.69,45.88 57.19,45.88 57.19,37.63 49.69,37.63 49.69,59.88 17.19,59.88 17.19,46.88 9.69,46.88 9.69,67.38
VIN on Top: 9.64,16.35 5.84,16.35 5.84,12.25 2.04,12.25 2.04,19.25 9.64,19.25
VIN on Top: 5.25,24.25 4.38,24.25 4.38,23 3.5,23 3.5,25 5.25,25
VIN on Top: 4.04,29.55 7.94,29.55 7.94,28.15 1.84,28.15 1.84,37.25 4.04,37.25
VIN on Top: 12.19,32.48 11.19,32.48 11.19,29.88 9.89,29.88 9.89,34.18 12.19,34.18
VIN on VCC2: 7.88,22.88 3,22.88 3,25 7.88,25
VIN on VCC2: 14.5,11.88 6.75,11.88 6.75,28.12 4.88,28.12 4.88,29.75 9.75,29.75 9.75,34 14.5,34
(no net) on VCC1: 75.19,67.88 9.19,67.88 9.19,47.88 0.19,47.88 0.19,89.88 75.19,89.88
Net-(C35-Pad1) on Top: 14.66,38.75 12.91,38.75 12.91,37.63 12.41,37.63 12.4,44.36 14.66,44.38
Net-(C38-Pad1) on Top: 6.54,37.63 8.41,37.63 8.41,37 4.91,37 4.91,47.63 6.54,47.63
Net-(C45-Pad1) on Top: 9,27.25 8,27.25 8,26.62 6.5,26.62 6.5,27.88 8.25,27.88 8.25,28.25 9,28.25
Net-(C45-Pad1) on Top: 14.04,30.5 12.66,30.5 12.66,28.63 10.66,28.63 10.66,27.25 8.25,27.25 8.25,29.63 11.54,29.63 11.54,31.88 12.66,31.88 12.66,32.38 14.04,32.38
Net-(C45-Pad2) on Top: 10.59,24.94 8.23,24.94 8.25,26.96 10.59,26.96
Net-(C96-Pad1) on Top: 28.5,51.62 30.25,51.62 30.25,47.12 27.38,47.12 27.38,53.25 28.5,53.25
Net-(C150-Pad1) on Top: 75.49,24.18 75.49,26.08 77.09,26.08 77.09,28.58 78.69,28.58 78.69,26.08 79.19,26.08 79.19,24.18
Net-(C178-Pad1) on Top: 23.25,23.5 23.25,10.63 18,10.63 18,16.5 15.29,16.5 15.29,22.13 8.91,22.13 8.91,22.63 10.41,22.63 11.16,23.5
Net-(D11-PadA) on Top: 14.04,9.85 2.24,9.85 2.19,11.65 7.69,11.65 7.64,15.45 14.04,15.45
Net-(L1-Pad1) on Top: 18.04,37.88 13.66,37.88 13.66,38.5 15.16,38.5 15.16,43.5 18.04,43.5
Net-(L4-Pad1) on Top: 30.25,44.75 29.25,44.75 27.12,45.62 27.12,46.12 29.12,46.88 30.25,46.88

## Text on the board
Dwgs.User: Recommended PCB finish: | Gold plating (ENIG, selective) | Solder mask: matt black | Silkscreen: white | The design includes high speed signaling | Suggested prepreg material is ISOLA PR2116 | Layer | 1 | 2 | 3 | 4 | 5 | 6 | 7 | 8 | 9 | 10 | 11 | 12 | 13 | 14 | 15 | 16 | 17 | Name | Top Solder | F.Cu | Dielectric 1 | GND1 | Dielectric 2 | In2.Cu | Dielectric 3 | GND2 | Dielectric 4 | VCC1 | Dielectric 5 | In5.Cu | Dielectric 6 | VCC2 | Dielectric 7 | B.Cu | Bottom Solder | Material | Solder Resist | Copper | Prepreg 2116 | FR-4 | Prepreg 7630 | Thickness | 0.02  mm | 0.035 mm | 0.12  mm | 0.23  mm | 0.2   mm | 0.018 mm | Constant | 3.5 | 4.5 | 4.6 | 4.7 | Recommended PCB stackup
Top: LPDDR4 Test Board / Rev. 1.0.6  06/2021
F.Mask: LPDDR4 Test Board / Rev. 1.0.6  06/2021
F.SilkS: 1V1 | + | - | INIT | DONE | FLASH | JTAG | 14 | 2 | 13 | 1 | VDDQ | ON | OFF | DC IN / 7..15V | DEBUG / USB | VIDEO / OUT | FAN | POWER | ETHERNET | SN
